# KiCad board TKL.kicad_pcb (continued)
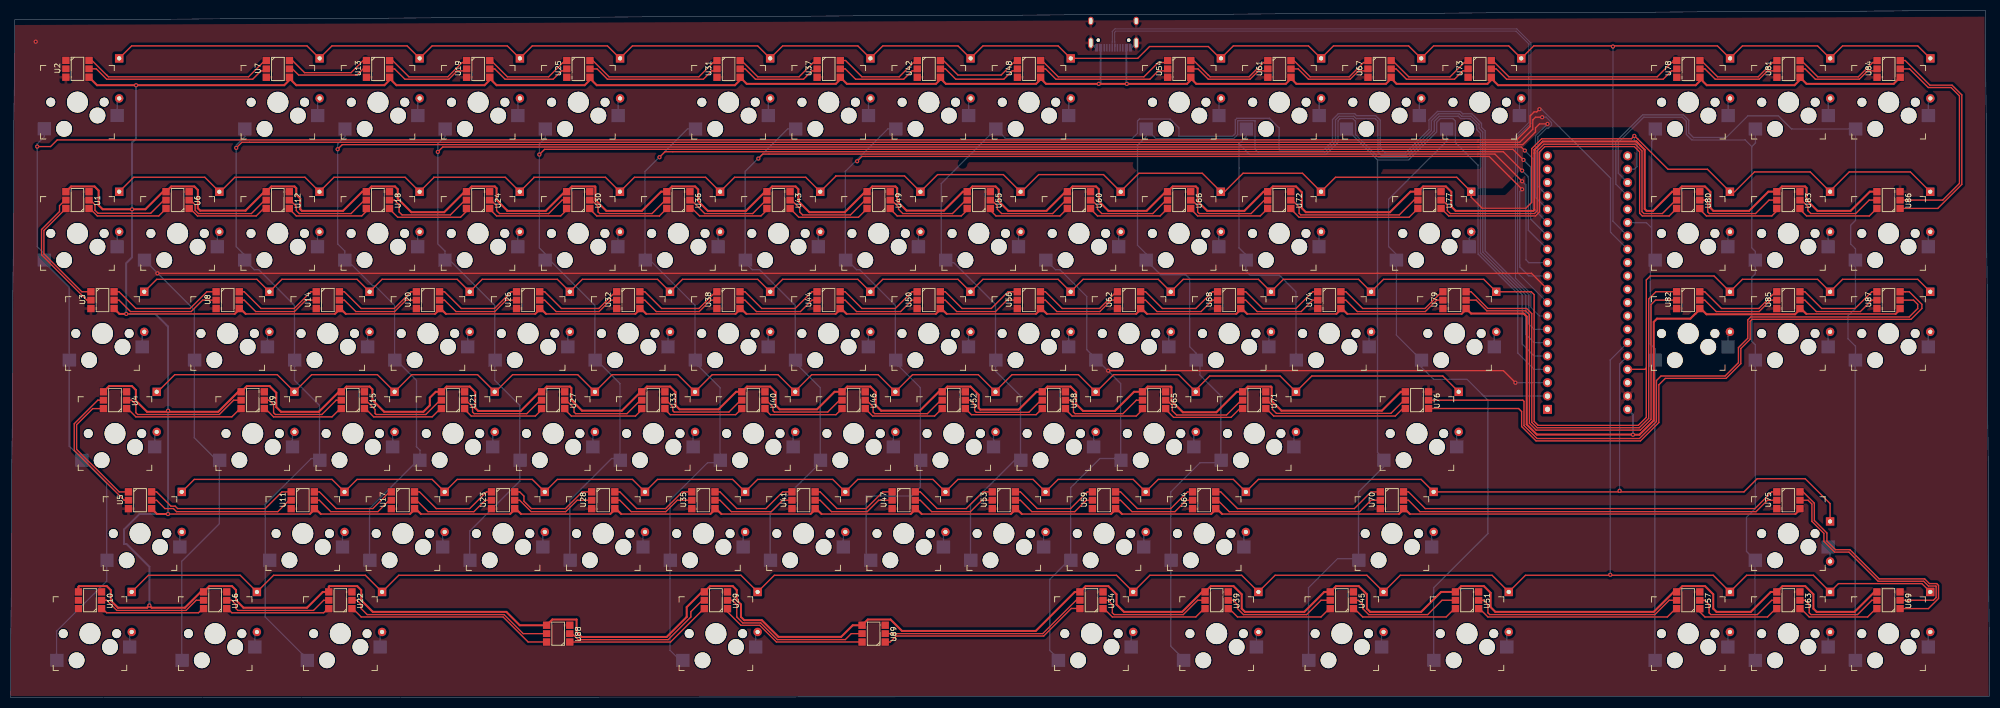
[diagram p0: board, top side]
## Routing (per net, layer and track width the routed paths; a pad name or vN(x,y) marks a point on that pad's centre or on a via; arc(x,y) is an arc through that point) (continued)
Net-(D64-A): length 2.7
  Bottom w0.25: SW64.2 32.2,31.41
Net-(D65-A): length 3
  Bottom w0.25: SW65.2 120.3,31.72
Net-(D66-A): length 2.8
  Bottom w0.25: SW66.2 234.6,31.42
Net-(D67-A): length 2.9
  Bottom w0.25: SW67.2 139.35,31.57
Net-(D68-A): length 3.1
  Bottom w0.25: SW68.2 270.32,31.74
Net-(D69-A): length 2.9
  Bottom w0.25: SW69.2 63.15,31.54
Net-(D70-A): length 2.5
  Bottom w0.25: SW70.2 158.4,31.22
Net-(D71-A): length 2.4
  Bottom w0.25: D71.2 346.11,28.29
Net-(D72-A): length 3.4
  Bottom w0.25: SW72.2 82.2,32.09
Net-(D73-A): length 3
  Bottom w0.25: SW73.2 177.45,31.67
Net-(D74-A): length 2.6
  Bottom w0.25: SW74.2 101.25,31.27
Net-(D75-A): length 3
  Bottom w0.25: SW75.2 196.5,31.72
Net-(D76-A): length 2.9
  Bottom w0.25: SW76.2 215.55,31.57
Net-(D77-A): length 2.9
  Bottom w0.25: SW77.2 22.67,12.54
Net-(D78-A): length 2.6
  Bottom w0.25: SW78.2 236.99,12.2
Net-(D79-A): length 3.3
  Bottom w0.25: SW79.2 364.78,12.91
Net-(D80-A): length 2.9
  Bottom w0.25: SW80.2 46.49,12.54
Net-(D81-A): length 2.8
  Bottom w0.25: SW81.2 260.8,12.41
Net-(D82-A): length 3
  Bottom w0.25: SW82.2 70.3,12.58
Net-(D83-A): length 2.8
  Bottom w0.25: SW83.2 284.61,12.43
Net-(D84-A): length 2.2
  Bottom w0.25: SW84.2 141.74,11.78
Net-(D85-A): length 2.9
  Bottom w0.25: SW85.2 326.68,12.5
Net-(D86-A): length 3
  Bottom w0.25: SW86.2 213.17,12.59
Net-(D87-A): length 2.9
  Bottom w0.25: SW87.2 345.73,12.55
Net-(U1-CIN): length 16.7
  Top w0.25: 29.18,94.71 26.67,92.2 16.64,92.2 16.07,92.77 16.07,93.83 15.18,94.71
Net-(U1-COUT): length 25.2
  Top w0.25: U3.2 14.52,75.66 5.9,84.28 5.9,89.11 9.32,92.53 9.32,93.65 10.38,94.71
Net-(U1-DIN): length 15.6
  Top w0.25: 29.58,93.08 28.19,91.69 16.51,91.69 15.09,93.11
Net-(U1-DOUT): length 22.3
  Top w0.25: U3.1 13.56,77.26 6.35,84.47 6.35,88.93 U1.6
Net-(U2-COUT): length 35
  Top w0.25: U2.5 16.31,119.71 18.29,117.73 46.07,117.73 47.66,119.32 48.45,119.32
Net-(U2-DOUT): length 35.4
  Top w0.25: 15.47,121.31 18.29,118.5 18.31,118.5 18.63,118.18 45.28,118.18 48,120.9 48.45,120.9
Net-(U3-COUT): length 21
  Top w0.25: U3.5 20.64,75.66 22.82,73.49 34.37,73.49 36.54,75.66 38.93,75.66
Net-(U3-DOUT): length 21.9
  Top w0.25: U3.6 20.64,77.26 23.83,74.07 34.16,74.07 37.34,77.25 38.93,77.25
Net-(U4-CIN): length 24.8
  Top w0.25: U4.2 23.03,56.61 23.84,55.79 23.84,54.23 24.19,53.89 39.72,53.89 42.44,56.61 43.69,56.61
Net-(U4-COUT): length 26.6
  Top w0.25: 22.26,37.56 21.62,37.56 12.12,47.06 12.12,52.13 16.6,56.61 U4.5
Net-(U4-DIN): length 22.7
  Top w0.25: 22.27,55.01 23.84,53.44 42.1,53.44 43.69,55.02
Net-(U4-DOUT): length 24.1
  Top w0.25: 22.26,39.15 20.67,39.15 12.57,47.24 12.57,51.94 15.64,55.01 U4.6
Net-(U10-CIN): length 20.8
  Top w0.25: 36.54,18.51 35.31,18.51 33.38,16.58 20.22,16.58 18.29,18.51 U10.2
Net-(U10-DIN): length 19.7
  Top w0.25: 17.51,16.91 18.29,16.13 35.75,16.13 36.54,16.92
Net-(U11-CIN): length 28
  Top w0.25: U5.5 27.79,37.56 29.38,35.97 30.99,35.97 31.58,35.39 50.83,35.39 53.01,37.56
Net-(U11-COUT): length 16.1
  Top w0.25: 72.06,37.56 69.88,35.39 60.92,35.39 58.74,37.56 U11.5
Net-(U11-DIN): length 29
  Top w0.25: U5.6 27.79,39.16 30.53,36.42 31.33,36.42 31.78,35.97 48.45,35.97 51.63,39.15 53.21,39.15
Net-(U11-DOUT): length 16.9
  Top w0.25: U11.6 58.76,39.16 61.94,35.97 68.92,35.97 72.1,39.15
Net-(U12-CIN): length 16.8
  Top w0.25: 67.34,94.71 64.77,92.14 54.92,92.14 54.36,92.71 54.36,93.53 53.17,94.71
Net-(U12-COUT): length 16.9
  Top w0.25: 34.23,94.71 35.12,93.83 35.12,92.77 35.75,92.14 45.82,92.14 48.38,94.71
Net-(U12-DIN): length 15.6
  Top w0.25: 67.68,92.57 66.8,91.69 54.36,91.69 53.03,93.02
Net-(U12-DOUT): length 15.2
  Top w0.25: 34.14,93.11 35.56,91.69 46.74,91.69 48.15,93.11
Net-(U13-CIN): length 15.5
  Top w0.25: 67.13,119.69 67.5,119.32 ; 67.5,120.11 65.91,118.52 54.8,118.52 53.63,119.69
Net-(U13-COUT): length 15.9
  Top w0.25: U13.5 73.06,119.69 75.02,117.73 83.38,117.73 84.96,119.32 86.55,119.32
Net-(U13-DIN): length 16
  Top w0.25: 67.5,121.7 64.78,118.97 55.94,118.97 53.62,121.29
Net-(U13-DOUT): length 16.3
  Top w0.25: 86.55,120.9 85.91,120.9 83.19,118.18 75.78,118.18 72.67,121.29
Net-(U14-CIN): length 16.3
  Top w0.25: 57.98,75.66 56.18,75.66 54.01,73.49 46.63,73.49 44.46,75.66 U8.5
Net-(U14-COUT): length 16.3
  Top w0.25: U14.5 63.51,75.66 65.68,73.49 73.06,73.49 75.23,75.66 77.03,75.66
Net-(U14-DIN): length 17.1
  Top w0.25: 57.98,77.25 57.13,77.25 53.96,74.07 47.64,74.07 44.46,77.26 U8.6
Net-(U14-DOUT): length 17.1
  Top w0.25: U14.6 63.51,77.26 66.69,74.07 73.01,74.07 76.18,77.25 77.03,77.25
Net-(U15-CIN): length 16.8
  Top w0.25: 67.57,56.61 69.34,54.84 69.34,54.1 69.56,53.89 78.99,53.89 81.72,56.61
Net-(U15-COUT): length 17.6
  Top w0.25: U9.2 49.22,56.61 50.04,55.79 50.04,54.23 50.38,53.89 59.22,53.89 61.94,56.61 62.74,56.61
Net-(U15-DIN): length 15.6
  Top w0.25: 67.51,55.01 69.09,53.44 80.2,53.44 81.79,55.02
Net-(U15-DOUT): length 15.6
  Top w0.25: 62.74,55.02 61.15,53.44 50.04,53.44 48.46,55.01
Net-(U16-CIN): length 21.3
  Top w0.25: U16.2 42.08,18.51 42.89,17.69 42.89,16.92 43.24,16.58 57.63,16.58 59.56,18.51 60.36,18.51
Net-(U16-DIN): length 19.7
  Top w0.25: 60.36,16.92 59.56,16.13 42.1,16.13 41.32,16.91
Net-(U17-COUT): length 15.9
  Top w0.25: 91.31,37.56 90.31,37.56 88.14,35.39 79.41,35.39 77.23,37.56
Net-(U17-DOUT): length 17.1
  Top w0.25: U17.6 77.79,39.16 80.98,35.97 87.34,35.97 90.52,39.15 91.31,39.15
Net-(U18-CIN): length 17.5
  Top w0.25: 86.48,94.71 83.66,91.89 74.48,91.89 73.91,92.46 73.91,93.83 73.03,94.71 U18.2
Net-(U18-DIN): length 15.8
  Top w0.25: 72.08,93.02 73.66,91.44 85.6,91.44 86.73,92.57
Net-(U19-COUT): length 15.9
  Top w0.25: 105.6,119.32 104.81,119.32 103.22,117.73 94.07,117.73 92.11,119.69 U19.5
Net-(U19-DOUT): length 16.6
  Top w0.25: 105.6,120.9 105.09,120.9 102.36,118.18 94.52,118.18 91.41,121.29
Net-(U20-COUT): length 16.3
  Top w0.25: 96.08,75.66 94.28,75.66 92.11,73.49 84.73,73.49 82.56,75.66 U20.5
Net-(U20-DOUT): length 17.1
  Top w0.25: U20.6 82.56,77.26 85.74,74.07 92.06,74.07 95.23,77.25 96.08,77.25
Net-(U21-CIN): length 16.9
  Top w0.25: 86.62,56.61 87.88,55.35 87.88,54.36 88.2,54.04 98.2,54.04 100.77,56.61
Net-(U21-DIN): length 15.7
  Top w0.25: 101.02,54.79 99.82,53.59 87.63,53.59 86.37,54.85
Net-(U22-CIN): length 39.8
  Top w0.25: 101.63,12.16 97.51,12.16 93.88,15.79 67.84,15.79 66.71,16.92 66.71,17.69 65.89,18.51 U22.2
Net-(U22-DIN): length 39.1
  Top w0.25: 101.63,10.57 98.46,10.57 93.69,15.34 66.71,15.34 65.13,16.91
Net-(U23-COUT): length 16.3
  Top w0.25: U23.5 96.84,37.56 99.02,35.39 105.6,35.39 107.78,37.56 110.36,37.56
Net-(U23-DOUT): length 17.7
  Top w0.25: U23.6 96.84,39.16 97.66,38.34 97.66,37.38 99.07,35.97 105.55,35.97 108.73,39.15 110.36,39.15
Net-(U24-CIN): length 17.1
  Top w0.25: U30.5 104.93,94.71 102.36,92.14 93.02,92.14 92.46,92.71 92.46,93.64 91.38,94.71
Net-(U24-DIN): length 15.7
  Top w0.25: 105.78,92.83 104.65,91.69 92.46,91.69 91.13,93.02
Net-(U25-COUT): length 25.4
  Top w0.25: U25.5 111.58,119.69 113.54,117.73 131.79,117.73 133.38,119.32 134.18,119.32
Net-(U25-DOUT): length 25.8
  Top w0.25: 134.18,120.9 133.66,120.9 130.94,118.18 113.86,118.18 110.74,121.29
Net-(U26-COUT): length 16.3
  Top w0.25: 115.13,75.66 114.13,75.66 111.95,73.49 103.78,73.49 101.61,75.66 U26.5
Net-(U26-DOUT): length 17.1
  Top w0.25: U26.6 101.61,77.26 104.79,74.07 111.9,74.07 115.08,77.25
Net-(U27-CIN): length 16.7
  Top w0.25: 119.82,56.61 117.25,54.04 107.5,54.04 107.19,54.36 107.19,55.09 105.67,56.61
Net-(U27-DIN): length 15.7
  Top w0.25: 105.42,54.85 106.68,53.59 118.87,53.59 120.07,54.79
Net-(U28-COUT): length 16.3
  Top w0.25: 129.41,37.56 126.83,37.56 124.65,35.39 118.07,35.39 115.89,37.56 U28.5
Net-(U28-DOUT): length 17.1
  Top w0.25: 129.41,39.15 127.78,39.15 124.6,35.97 119.08,35.97 115.89,39.16 U28.6
Net-(U29-CIN): length 30.5
  Top w0.25: U29.2 137.33,18.51 138.14,17.69 138.14,15.34 139.28,14.2 142.69,14.2 145.87,11.02 158.78,11.02 159.92,12.16 161.96,12.16
Net-(U29-COUT): length 28.9
  Top w0.25: 106.83,12.16 107.98,11.01 125.09,11.01 129.41,15.34 129.41,16.33 131.59,18.51
Net-(U29-DIN): length 28.6
  Top w0.25: 161.96,10.57 145.68,10.57 142.51,13.75 138.94,13.75 136.38,16.31 U29.1
Net-(U29-DOUT): length 28.2
  Top w0.25: 131.94,16.95 125.54,10.56 U88.1
Net-(U30-CIN): length 16.8
  Top w0.25: 110.52,94.71 111.76,93.47 111.76,92.46 112.07,92.14 122.02,92.14 124.58,94.71
Net-(U30-DIN): length 15.8
  Top w0.25: 110.18,93.02 111.51,91.69 123.44,91.69 123.44,91.72 U36.6
Net-(U31-COUT): length 15.9
  Top w0.25: U31.5 139.73,119.69 141.7,117.73 150.84,117.73 152.43,119.32 153.23,119.32
Net-(U31-DOUT): length 16.6
  Top w0.25: 153.23,120.9 152.71,120.9 149.99,118.18 142.15,118.18 139.03,121.29
Net-(U32-COUT): length 16.3
  Top w0.25: U32.5 120.66,75.66 122.83,73.49 131,73.49 133.18,75.66 134.18,75.66
Net-(U32-DOUT): length 17.1
  Top w0.25: 134.13,77.25 130.95,74.07 123.84,74.07 120.66,77.26 U32.6
Net-(U33-CIN): length 16.5
  Top w0.25: 124.72,56.61 125.98,55.35 125.98,54.61 126.24,54.36 136.65,54.36 138.9,56.61
Net-(U33-DIN): length 15.5
  Top w0.25: 124.47,54.85 125.48,53.85 137.92,53.85 139.08,55.01
Net-(U34-CIN): length 22.4
  Top w0.25: 227.04,18.51 225.8,18.51 223.08,15.79 209.93,15.79 209.58,16.13 209.58,17.69 208.76,18.51 207.81,18.51
Net-(U34-COUT): length 39.3
  Top w0.25: U89.2 196.34,12.16 202.94,18.75
Net-(U34-DIN): length 20.3
  Top w0.25: 227.04,16.92 225.46,15.34 209.58,15.34 208.01,16.91
Net-(U34-DOUT): length 39.4
  Top w0.25: U89.1 167.33,10.56 168.48,11.71 196.53,11.71 201.77,16.95 203.14,16.95
Net-(U35-COUT): length 16.3
  Top w0.25: 148.46,37.56 146.88,37.56 144.7,35.39 137.12,35.39 134.94,37.56 U35.5
Net-(U35-DOUT): length 17.1
  Top w0.25: U35.6 134.94,39.16 138.13,35.97 143.7,35.97 146.88,39.15 148.46,39.15
Net-(U36-CIN): length 16.4
  Top w0.25: 129.48,94.71 132.05,92.14 141.17,92.14 143.73,94.71
Net-(U36-DIN): length 15.3
  Top w0.25: 129.65,93.11 131.06,91.69 142.75,91.69 143.88,92.83
Net-(U37-COUT): length 15.9
  Top w0.25: U37.5 158.78,119.69 160.75,117.73 169.89,117.73 171.48,119.32 172.28,119.32
Net-(U37-DOUT): length 16.9
  Top w0.25: 172.28,120.9 171.76,120.9 169.04,118.18 161.96,118.18 158.84,121.29 U37.6
Net-(U38-COUT): length 16.3
  Top w0.25: 153.23,75.66 152.43,75.66 150.26,73.49 141.88,73.49 139.71,75.66 U38.5
Net-(U38-DOUT): length 17.1
  Top w0.25: U38.6 139.71,77.26 142.89,74.07 149.26,74.07 152.43,77.25 153.23,77.25
Net-(U39-CIN): length 21.9
  Top w0.25: 250.86,18.51 249.27,18.51 246.54,15.79 234.53,15.79 233.39,16.92 233.39,17.69 232.58,18.51 U39.2
Net-(U39-DIN): length 20.3
  Top w0.25: 231.82,16.91 233.39,15.34 249.27,15.34 250.86,16.92
Net-(U40-CIN): length 16.2
  Top w0.25: 143.75,56.61 145.03,55.32 145.03,54.61 145.29,54.36 155.45,54.36 157.7,56.61
Net-(U40-DIN): length 15.6
  Top w0.25: 143.5,54.88 144.53,53.85 157.01,53.85 U46.6
Net-(U41-COUT): length 16.3
  Top w0.25: U41.5 153.99,37.56 156.17,35.39 162.96,35.39 165.13,37.56 167.51,37.56
Net-(U41-DOUT): length 17.1
  Top w0.25: U41.6 153.99,39.16 157.18,35.97 162.75,35.97 165.93,39.15 167.51,39.15
Net-(U42-COUT): length 15.9
  Top w0.25: 191.33,119.32 190.53,119.32 188.94,117.73 179.8,117.73 177.83,119.69 U42.5
Net-(U42-DOUT): length 16
  Top w0.25: 177.44,121.29 180.21,118.52 188.43,118.52 190.81,120.9 191.33,120.9
Net-(U43-CIN): length 16.8
  Top w0.25: 148.53,94.71 150.11,93.13 150.11,92.46 150.68,91.89 159.77,91.89 162.59,94.71
Net-(U43-DIN): length 16
  Top w0.25: 162.93,93.08 161.29,91.44 149.95,91.44 U43.1
Net-(U44-COUT): length 16.3
  Top w0.25: 172.28,75.66 171.48,75.66 169.31,73.49 160.93,73.49 158.76,75.66 U44.5
Net-(U44-DOUT): length 17.1
  Top w0.25: U44.6 158.76,77.26 161.94,74.07 168.31,74.07 171.48,77.25 172.28,77.25
Net-(U45-CIN): length 21.9
  Top w0.25: 274.67,18.51 272.29,18.51 269.56,15.79 258.34,15.79 257.21,16.92 257.21,17.69 256.39,18.51 U45.2
Net-(U45-DIN): length 20.3
  Top w0.25: 274.67,16.92 273.08,15.34 257.21,15.34 255.63,16.91
Net-(U46-CIN): length 16.9
  Top w0.25: 162.82,56.61 164.08,55.35 164.08,54.36 164.4,54.04 174.4,54.04 176.97,56.61
Net-(U46-DIN): length 15.8
  Top w0.25: U46.1 163.99,53.59 175.77,53.59 177.18,55.01
Net-(U47-COUT): length 16.3
  Top w0.25: 186.56,37.56 184.77,37.56 182.59,35.39 175.22,35.39 173.04,37.56 U47.5
Net-(U47-DOUT): length 17.1
  Top w0.25: U47.6 173.04,39.16 176.23,35.97 181.8,35.97 184.98,39.15 186.56,39.15
Net-(U48-COUT): length 25.4
  Top w0.25: U48.5 196.88,119.69 198.85,117.73 216.73,117.73 218.31,119.32 219.9,119.32
Net-(U48-DOUT): length 26.1
  Top w0.25: 196.18,121.29 199.3,118.18 215.59,118.18 218.31,120.9 219.9,120.9
Net-(U49-CIN): length 16.5
  Top w0.25: 167.58,94.71 168.91,93.38 168.91,92.96 169.73,92.14 179.17,92.14 181.73,94.71
Net-(U49-DIN): length 15.7
  Top w0.25: 181.98,92.83 180.85,91.69 168.66,91.69 167.33,93.02
Net-(U50-COUT): length 16.3
  Top w0.25: 191.33,75.66 189.53,75.66 187.36,73.49 179.98,73.49 177.81,75.66 U50.5
Net-(U50-DOUT): length 17.1
  Top w0.25: U50.6 177.81,77.26 180.99,74.07 186.56,74.07 189.74,77.25 191.33,77.25
Net-(U51-CIN): length 40.7
  Top w0.25: U51.2 280.2,18.51 281.02,17.69 281.02,16.13 281.36,15.79 312.77,15.79 315.49,18.51 316.74,18.51
Net-(U51-DIN): length 38.6
  Top w0.25: 316.74,16.92 315.15,15.34 281.02,15.34 279.44,16.91
Net-(U52-CIN): length 17
  Top w0.25: 196.01,56.61 193.7,54.3 183.7,54.3 183.39,54.61 183.39,55.79 182.57,56.61 U52.2
Net-(U52-DIN): length 15.6
  Top w0.25: U52.1 182.78,53.85 195.07,53.85 196.23,55.01
Net-(U53-COUT): length 16.3
  Top w0.25: 205.61,37.56 204.61,37.56 202.44,35.39 194.27,35.39 192.09,37.56 U53.5
Net-(U53-DOUT): length 17.1
  Top w0.25: U53.6 192.09,39.16 195.28,35.97 201.64,35.97 204.82,39.15 205.61,39.15
Net-(U54-COUT): length 15.9
  Top w0.25: U54.5 225.88,119.69 227.84,117.73 235.78,117.73 237.36,119.32 238.95,119.32
Net-(U54-DOUT): length 16.3
  Top w0.25: 225.04,121.29 227.84,118.5 227.86,118.5 228.18,118.18 235.59,118.18 238.31,120.9 238.95,120.9
Net-(U55-CIN): length 16.7
  Top w0.25: 186.63,94.71 187.71,93.64 187.71,92.96 188.53,92.14 198.22,92.14 200.78,94.71
Net-(U55-DIN): length 15.7
  Top w0.25: U60.6 199.62,91.69 187.45,91.69 186.38,92.76
Net-(U56-COUT): length 16.3
  Top w0.25: 210.38,75.66 209.38,75.66 207.2,73.49 199.03,73.49 196.86,75.66 U56.5
Net-(U56-DOUT): length 17.1
  Top w0.25: 210.33,77.25 207.15,74.07 200.04,74.07 196.86,77.26 U56.6
Net-(U57-CIN): length 17.6
  Top w0.25: U57.2 322.27,18.51 323.09,17.69 323.09,16.13 323.43,15.79 332.27,15.79 334.99,18.51 335.79,18.51
Net-(U57-DIN): length 16.1
  Top w0.25: 335.79,16.92 334.2,15.34 322.29,15.34 321.32,16.31 U57.1
Net-(U58-CIN): length 17.8
  Top w0.25: U65.5 214.15,56.61 211.58,54.04 202.5,54.04 202.18,54.36 202.18,56.03 201.61,56.61 U58.2
Net-(U58-DIN): length 15.7
  Top w0.25: 200.66,54.87 201.93,53.59 214.12,53.59 215.32,54.79
Net-(U59-COUT): length 16.3
  Top w0.25: 224.66,37.56 223.66,37.56 221.49,35.39 213.32,35.39 211.14,37.56 U59.5
Net-(U59-DOUT): length 17.1
  Top w0.25: U59.6 211.14,39.16 214.33,35.97 220.69,35.97 223.87,39.15 224.66,39.15
Net-(U60-CIN): length 16.7
  Top w0.25: 205.68,94.71 206.76,93.64 206.76,92.96 207.58,92.14 217.27,92.14 219.83,94.71
Net-(U60-DIN): length 15.8
  Top w0.25: 205.43,93.02 206.76,91.69 218.67,91.69 U66.6
Net-(U61-COUT): length 15.9
  Top w0.25: 258,119.32 256.41,119.32 254.83,117.73 246.89,117.73 244.93,119.69 U61.5
Net-(U61-DOUT): length 16.3
  Top w0.25: 244.09,121.29 247.21,118.18 254.64,118.18 257.36,120.9 258,120.9
Net-(U62-COUT): length 16.3
  Top w0.25: U62.5 215.91,75.66 218.08,73.49 226.46,73.49 228.63,75.66 229.43,75.66
Net-(U62-DOUT): length 17.1
  Top w0.25: 229.43,77.25 228.63,77.25 225.46,74.07 219.09,74.07 215.91,77.26 U62.6
Net-(U63-CIN): length 17.6
  Top w0.25: U63.2 341.32,18.51 342.14,17.69 342.14,16.13 342.48,15.79 351.32,15.79 354.04,18.51 354.84,18.51
Net-(U63-DIN): length 15.6
  Top w0.25: 340.56,16.91 342.14,15.34 353.25,15.34 354.84,16.92
Net-(U64-COUT): length 32.6
  Top w0.25: 229.63,37.56 231.81,35.39 256.62,35.39 258.79,37.56 260.38,37.56
Net-(U64-DOUT): length 33.8
  Top w0.25: U64.6 230.19,39.16 233.38,35.97 255.62,35.97 258.79,39.15 260.38,39.15
Net-(U65-CIN): length 17.1
  Top w0.25: 234.12,56.61 231.3,53.79 221.8,53.79 220.98,54.61 220.98,55.6 219.97,56.61
Net-(U65-DIN): length 15.4
  Top w0.25: 233.83,55.01 232.16,53.34 221.23,53.34 219.72,54.85
Net-(U66-CIN): length 17.2
  Top w0.25: U72.5 238.53,94.71 235.97,92.14 226.12,92.14 225.81,92.46 225.81,93.64 224.73,94.71
Net-(U66-DIN): length 15.8
  Top w0.25: 224.48,93.02 225.81,91.69 237.72,91.69 U72.6
Net-(U67-COUT): length 15.9
  Top w0.25: U67.5 263.56,119.69 265.52,117.73 274.67,117.73 276.26,119.32 277.05,119.32
Net-(U67-DOUT): length 16.6
  Top w0.25: 277.05,120.9 276.54,120.9 273.81,118.18 265.97,118.18 262.86,121.29
Net-(U68-COUT): length 16.3
  Top w0.25: 248.48,75.66 247.68,75.66 245.51,73.49 237.13,73.49 234.96,75.66 U68.5
Net-(U68-DOUT): length 17.1
  Top w0.25: U68.6 234.96,77.26 238.14,74.07 244.51,74.07 247.68,77.25 248.48,77.25
Net-(U69-CIN): length 44.6
  Top w0.25: 359.6,18.51 365.75,18.51 366.28,19.04 366.28,21.16 366.22,21.22 364.83,21.22 363.91,22.14 355.25,22.14 349.7,27.69 346.96,27.69 344.93,29.72 344.93,31.26 342.67,33.53 342.65,33.53 342.65,36.83 341.92,37.56 U75.5
Net-(U69-DIN): length 47
  Top w0.25: 359.6,16.92 364.8,16.92 366.73,18.85 366.73,21.34 366.39,21.69 365,21.69 364.1,22.59 355.44,22.59 349.89,28.14 347.15,28.14 345.5,29.78 345.5,31.33 343.12,33.71 343.12,37 340.95,39.16 U75.6
Net-(U70-COUT): length 72.6
  Top w0.25: 335.79,37.56 334.2,37.56 332.03,35.39 268.09,35.39 265.91,37.56 U70.5
Net-(U70-DOUT): length 73.5
  Top w0.25: U70.6 265.91,39.16 269.1,35.97 331.82,35.97 334.99,39.15 335.79,39.15
Net-(U71-CIN): length 28.6
  Top w0.25: 239.02,56.61 240.03,55.6 240.03,54.86 240.79,54.1 262.57,54.1 265.08,56.61
Net-(U71-DIN): length 27.1
  Top w0.25: 238.87,55.01 240.28,53.59 263.4,53.59 264.81,55.01
Net-(U72-CIN): length 27
  Top w0.25: U77.5 266.98,94.71 264.16,91.89 245.42,91.89 245.11,92.2 245.11,93.38 243.78,94.71
Net-(U72-DIN): length 25.5
  Top w0.25: U77.6 266.04,91.44 245.11,91.44 243.53,93.02
Net-(U73-COUT): length 36.5
  Top w0.25: U73.5 282.61,119.69 284.57,117.73 314.36,117.73 315.94,119.32 316.74,119.32
Net-(U73-DOUT): length 38.2
  Top w0.25: 281.91,121.29 285.02,118.18 313.22,118.18 315.94,120.9 316.74,120.9 ; 316.74,121.7 316.25,121.21 316.25,120.9
Net-(U74-COUT): length 21
  Top w0.25: U74.5 254.01,75.66 256.18,73.49 269.11,73.49 271.29,75.66 272.29,75.66
Net-(U74-DOUT): length 21.8
  Top w0.25: 272.24,77.25 269.06,74.07 257.19,74.07 254.01,77.26 U74.6
Net-(U76-CIN): length 121.8
  Top w0.25: U76.2 287.66,56.61 287.88,56.39 287.88,51.78 290.35,49.31 309.85,49.31 313.08,52.54 313.08,60.35 313.94,61.21 326.14,61.21 328.68,63.75 328.68,66.63 330.45,68.41 330.45,71.88 331.03,72.45 361.16,72.45 362.78,74.07 362.78,74.87 361.98,75.66 U87.5
Net-(U76-DIN): length 122.2
  Top w0.25: U87.6 360.37,77.26 360.38,77.25 361.19,77.25 363.57,74.87 363.57,74.07 361.5,72 331.28,72 330.9,71.63 330.9,68.22 329.13,66.44 329.13,63.57 326.32,60.76 314.76,60.76 313.53,59.53 313.53,52.35 310.04,48.86 290.16,48.86 287.43,51.59 287.43,54.45 286.86,55.02 269.91,55.02
Net-(U77-CIN): length 71.6
  Top w0.25: 272.36,94.71 273.3,93.76 273.3,92.71 273.87,92.14 289.88,92.14 290.38,92.64 290.38,104.07 291.66,105.35 309.05,105.35 310.33,104.07 310.33,92.51 310.7,92.14 314.2,92.14 316.76,94.71
Net-(U77-DIN): length 70.4
  Top w0.25: U80.6 315.5,91.69 310.39,91.69 309.88,92.2 309.88,103.89 308.86,104.9 291.85,104.9 290.83,103.89 290.83,92.46 290.07,91.69 273.56,91.69 272.14,93.11
Net-(U78-COUT): length 15.9
  Top w0.25: U78.5 322.3,119.69 324.26,117.73 332.61,117.73 334.2,119.32 335.79,119.32
Net-(U78-DOUT): length 16.6
  Top w0.25: 335.79,120.9 335.15,120.9 332.43,118.18 324.71,118.18 321.6,121.29
Net-(U79-COUT): length 85.3
  Top w0.25: 316.74,75.66 312.9,75.66 312.05,74.81 312.05,52.97 310,50.92 290.2,50.92 288.91,52.21 288.91,72.91 288.2,73.62 280.82,73.62 278.78,75.66 U79.5
Net-(U79-DOUT): length 86.9
  Top w0.25: U82.1 312.97,77.26 311.6,75.89 311.6,53.15 309.81,51.37 290.39,51.37 289.36,52.39 289.36,73.09 288.39,74.07 281.01,74.07 277.82,77.26 U79.6
Net-(U80-CIN): length 17.8
  Top w0.25: U83.5 334.49,94.71 331.92,92.14 323.15,92.14 322.83,92.46 322.83,94.15 322.27,94.71 U80.2
Net-(U80-DIN): length 15.6
  Top w0.25: 321.32,92.95 322.58,91.69 335.03,91.69 335.97,92.64
Net-(U81-COUT): length 15.9
  Top w0.25: 354.84,119.32 353.25,119.32 351.66,117.73 343.31,117.73 341.35,119.69 U81.5
Net-(U81-DOUT): length 16.6
  Top w0.25: 354.84,120.9 354.2,120.9 351.48,118.18 343.76,118.18 340.65,121.29
Net-(U82-COUT): length 16.3
  Top w0.25: U82.5 322.27,75.66 324.44,73.49 332.61,73.49 334.79,75.66 335.79,75.66
Net-(U82-DOUT): length 17.1
  Top w0.25: 335.74,77.25 332.56,74.07 325.46,74.07 322.27,77.26 U82.6
Net-(U83-CIN): length 16.9
  Top w0.25: 340.65,94.71 341.88,93.47 341.88,92.71 342.45,92.14 350.97,92.14 353.54,94.71 U86.5
Net-(U83-DIN): length 15.7
  Top w0.25: 340.37,92.95 341.63,91.69 353.57,91.69 354.98,93.11
Net-(U84-COUT): length 42.5
  Top w0.25: 359.6,94.71 367.54,94.71 370.71,97.89 370.71,114.55 369.13,116.14 364.79,116.14 361.24,119.69 U84.5
Net-(U84-DOUT): length 44.9
  Top w0.25: 359.6,93.12 366.59,93.12 371.16,97.7 371.16,114.74 369.31,116.59 365.1,116.59 360.4,121.29 U84.6
Net-(U85-COUT): length 16.3
  Top w0.25: 354.84,75.66 354.04,75.66 351.87,73.49 343.49,73.49 341.32,75.66 U85.5
Net-(U85-DOUT): length 17.1
  Top w0.25: 354.84,77.25 354.04,77.25 350.87,74.07 344.51,74.07 341.32,77.26 U85.6

## Copper pours and planes (outline as drawn; the poured copper is in the pictures)
GND on Top: 376.27,0.25 0.03,0.25 0.03,1.05 0.83,128.05 375.48,129.64
GND on Bottom: 376.27,0.25 0.03,0.25 0.83,128.84 375.48,130.43
